# Altium PCB PLD.PcbDoc (part 1 of 4)
Units mm, origin at the board's own origin, x right, y up, seen from the top; angles counter-clockwise.
Board outline 90.25 x 94.44 mm, 6 copper layers (Top, GND, Signal Layer 1, Power, Signal2, Bottom), stack 1.297 mm thick; 370 components, 248 nets, 1284 pads, 698 vias.
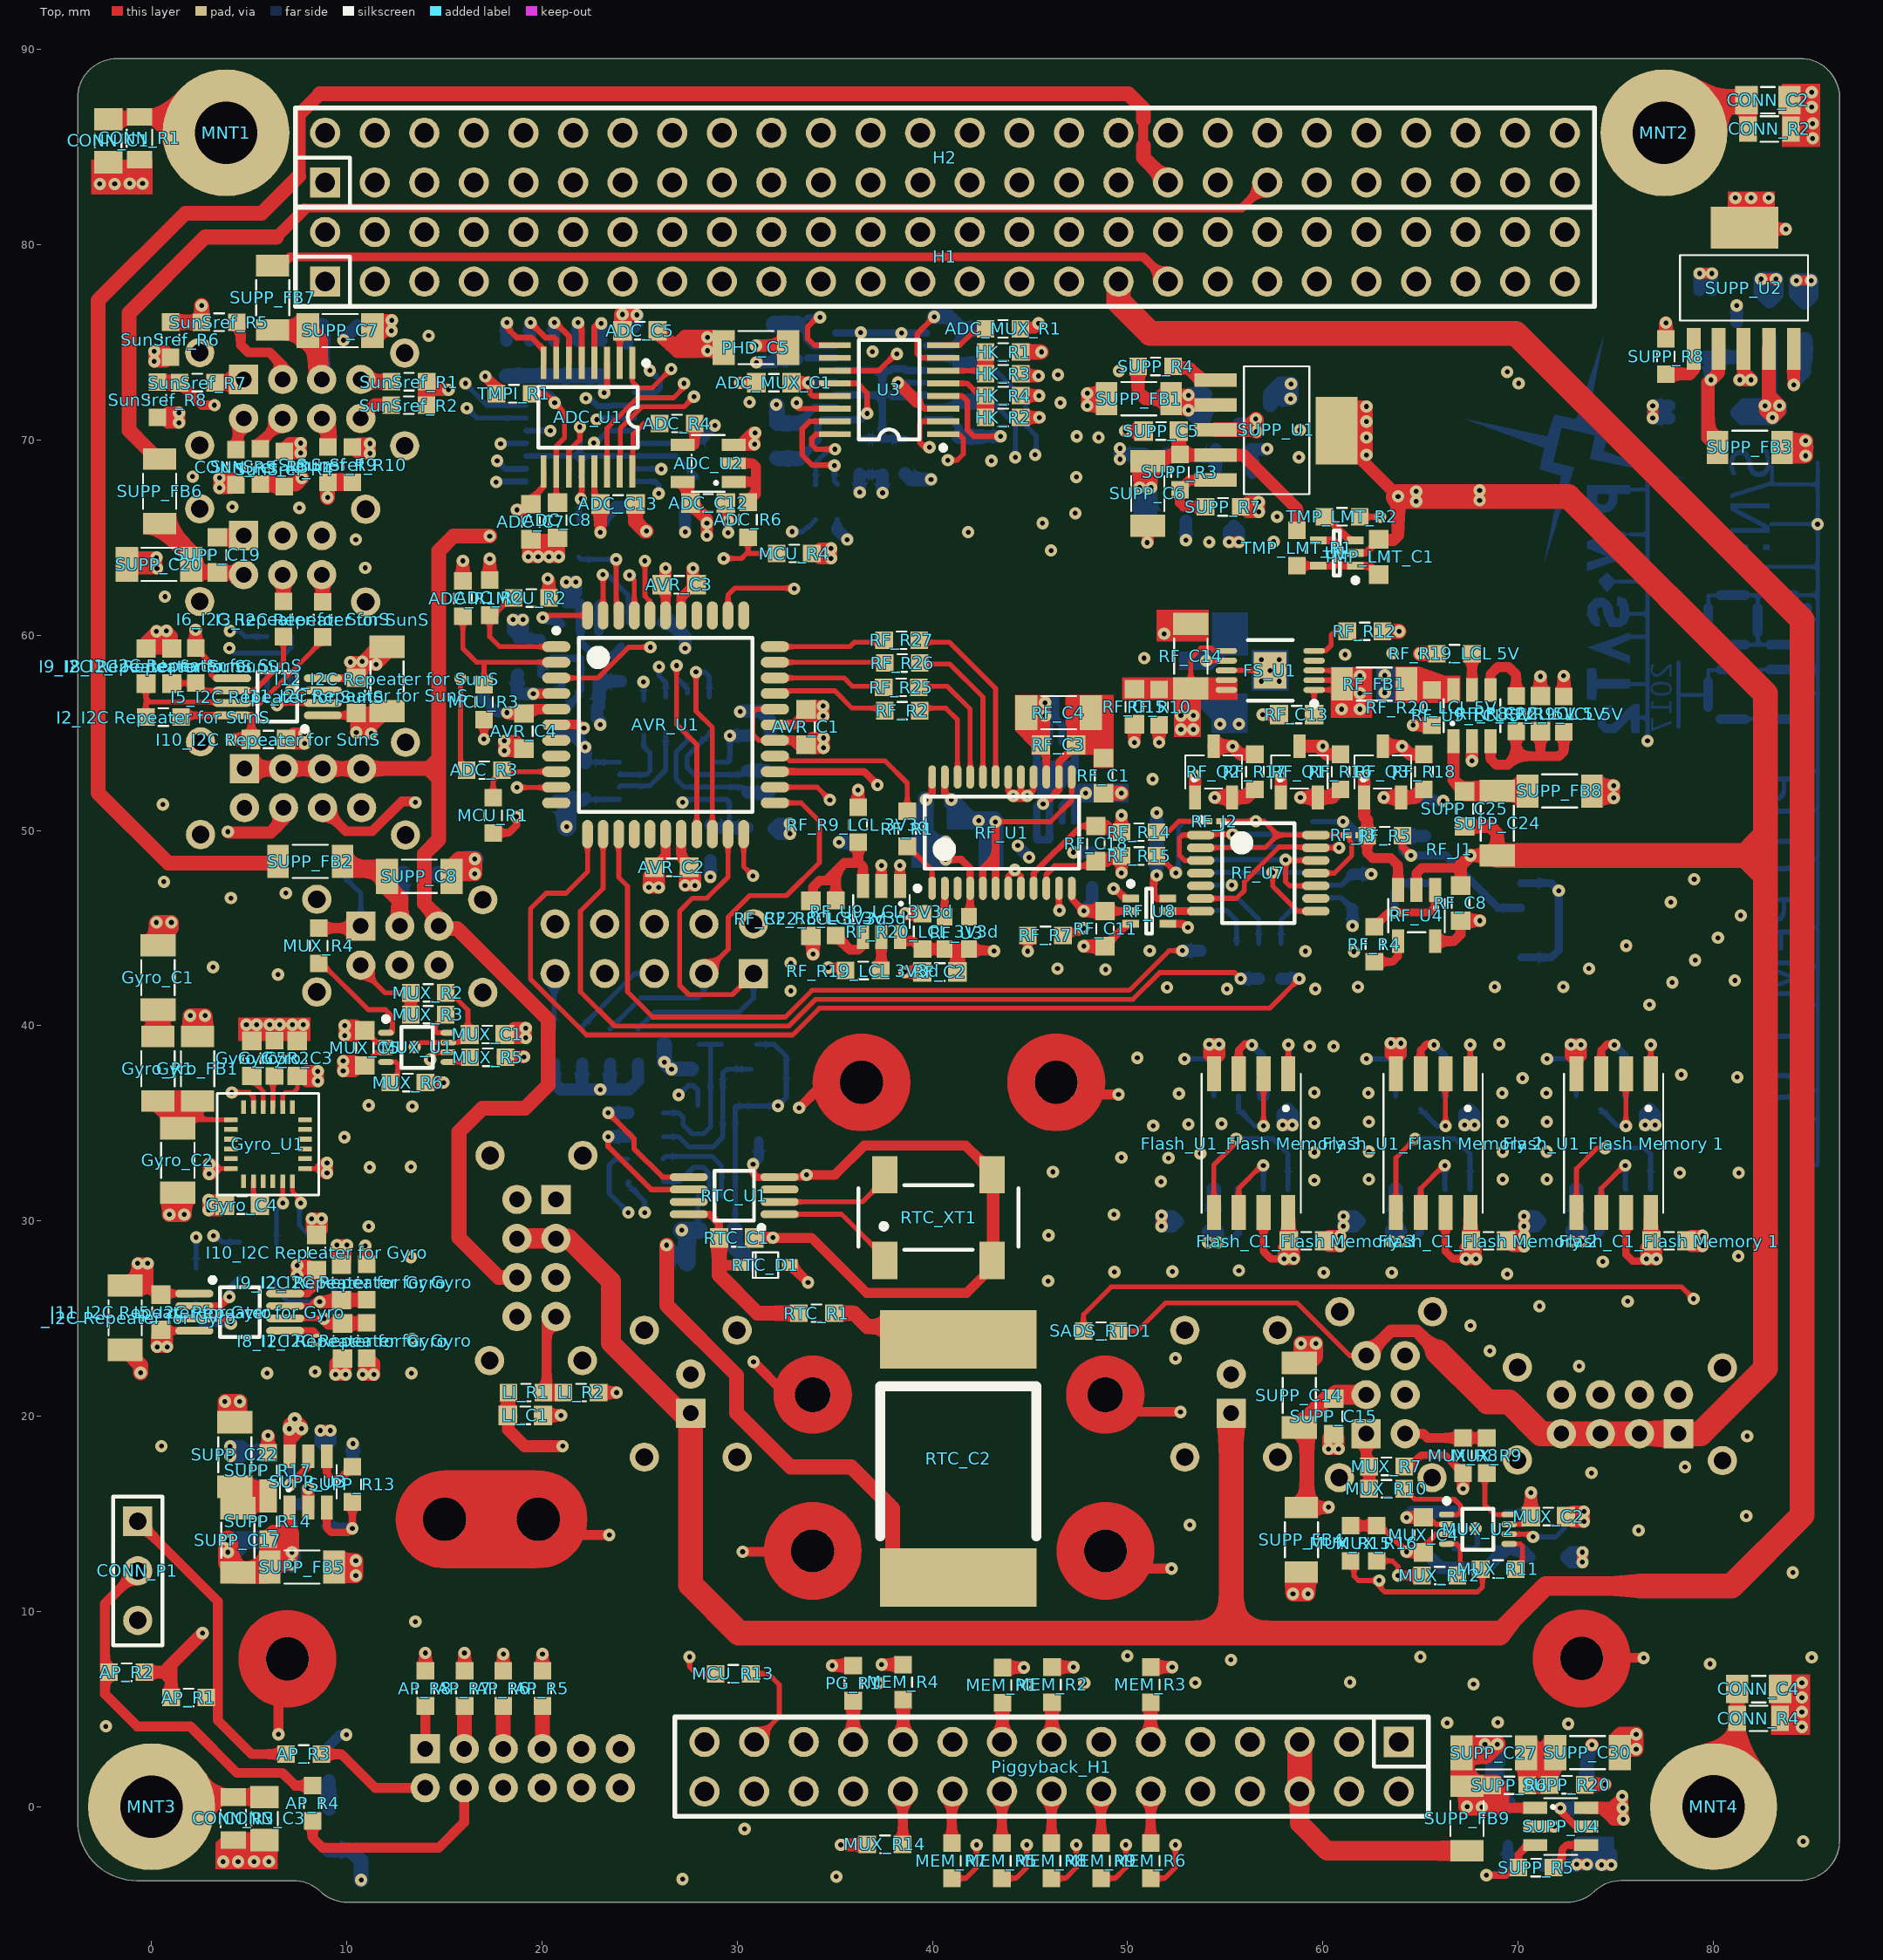
[diagram p0: Top view]
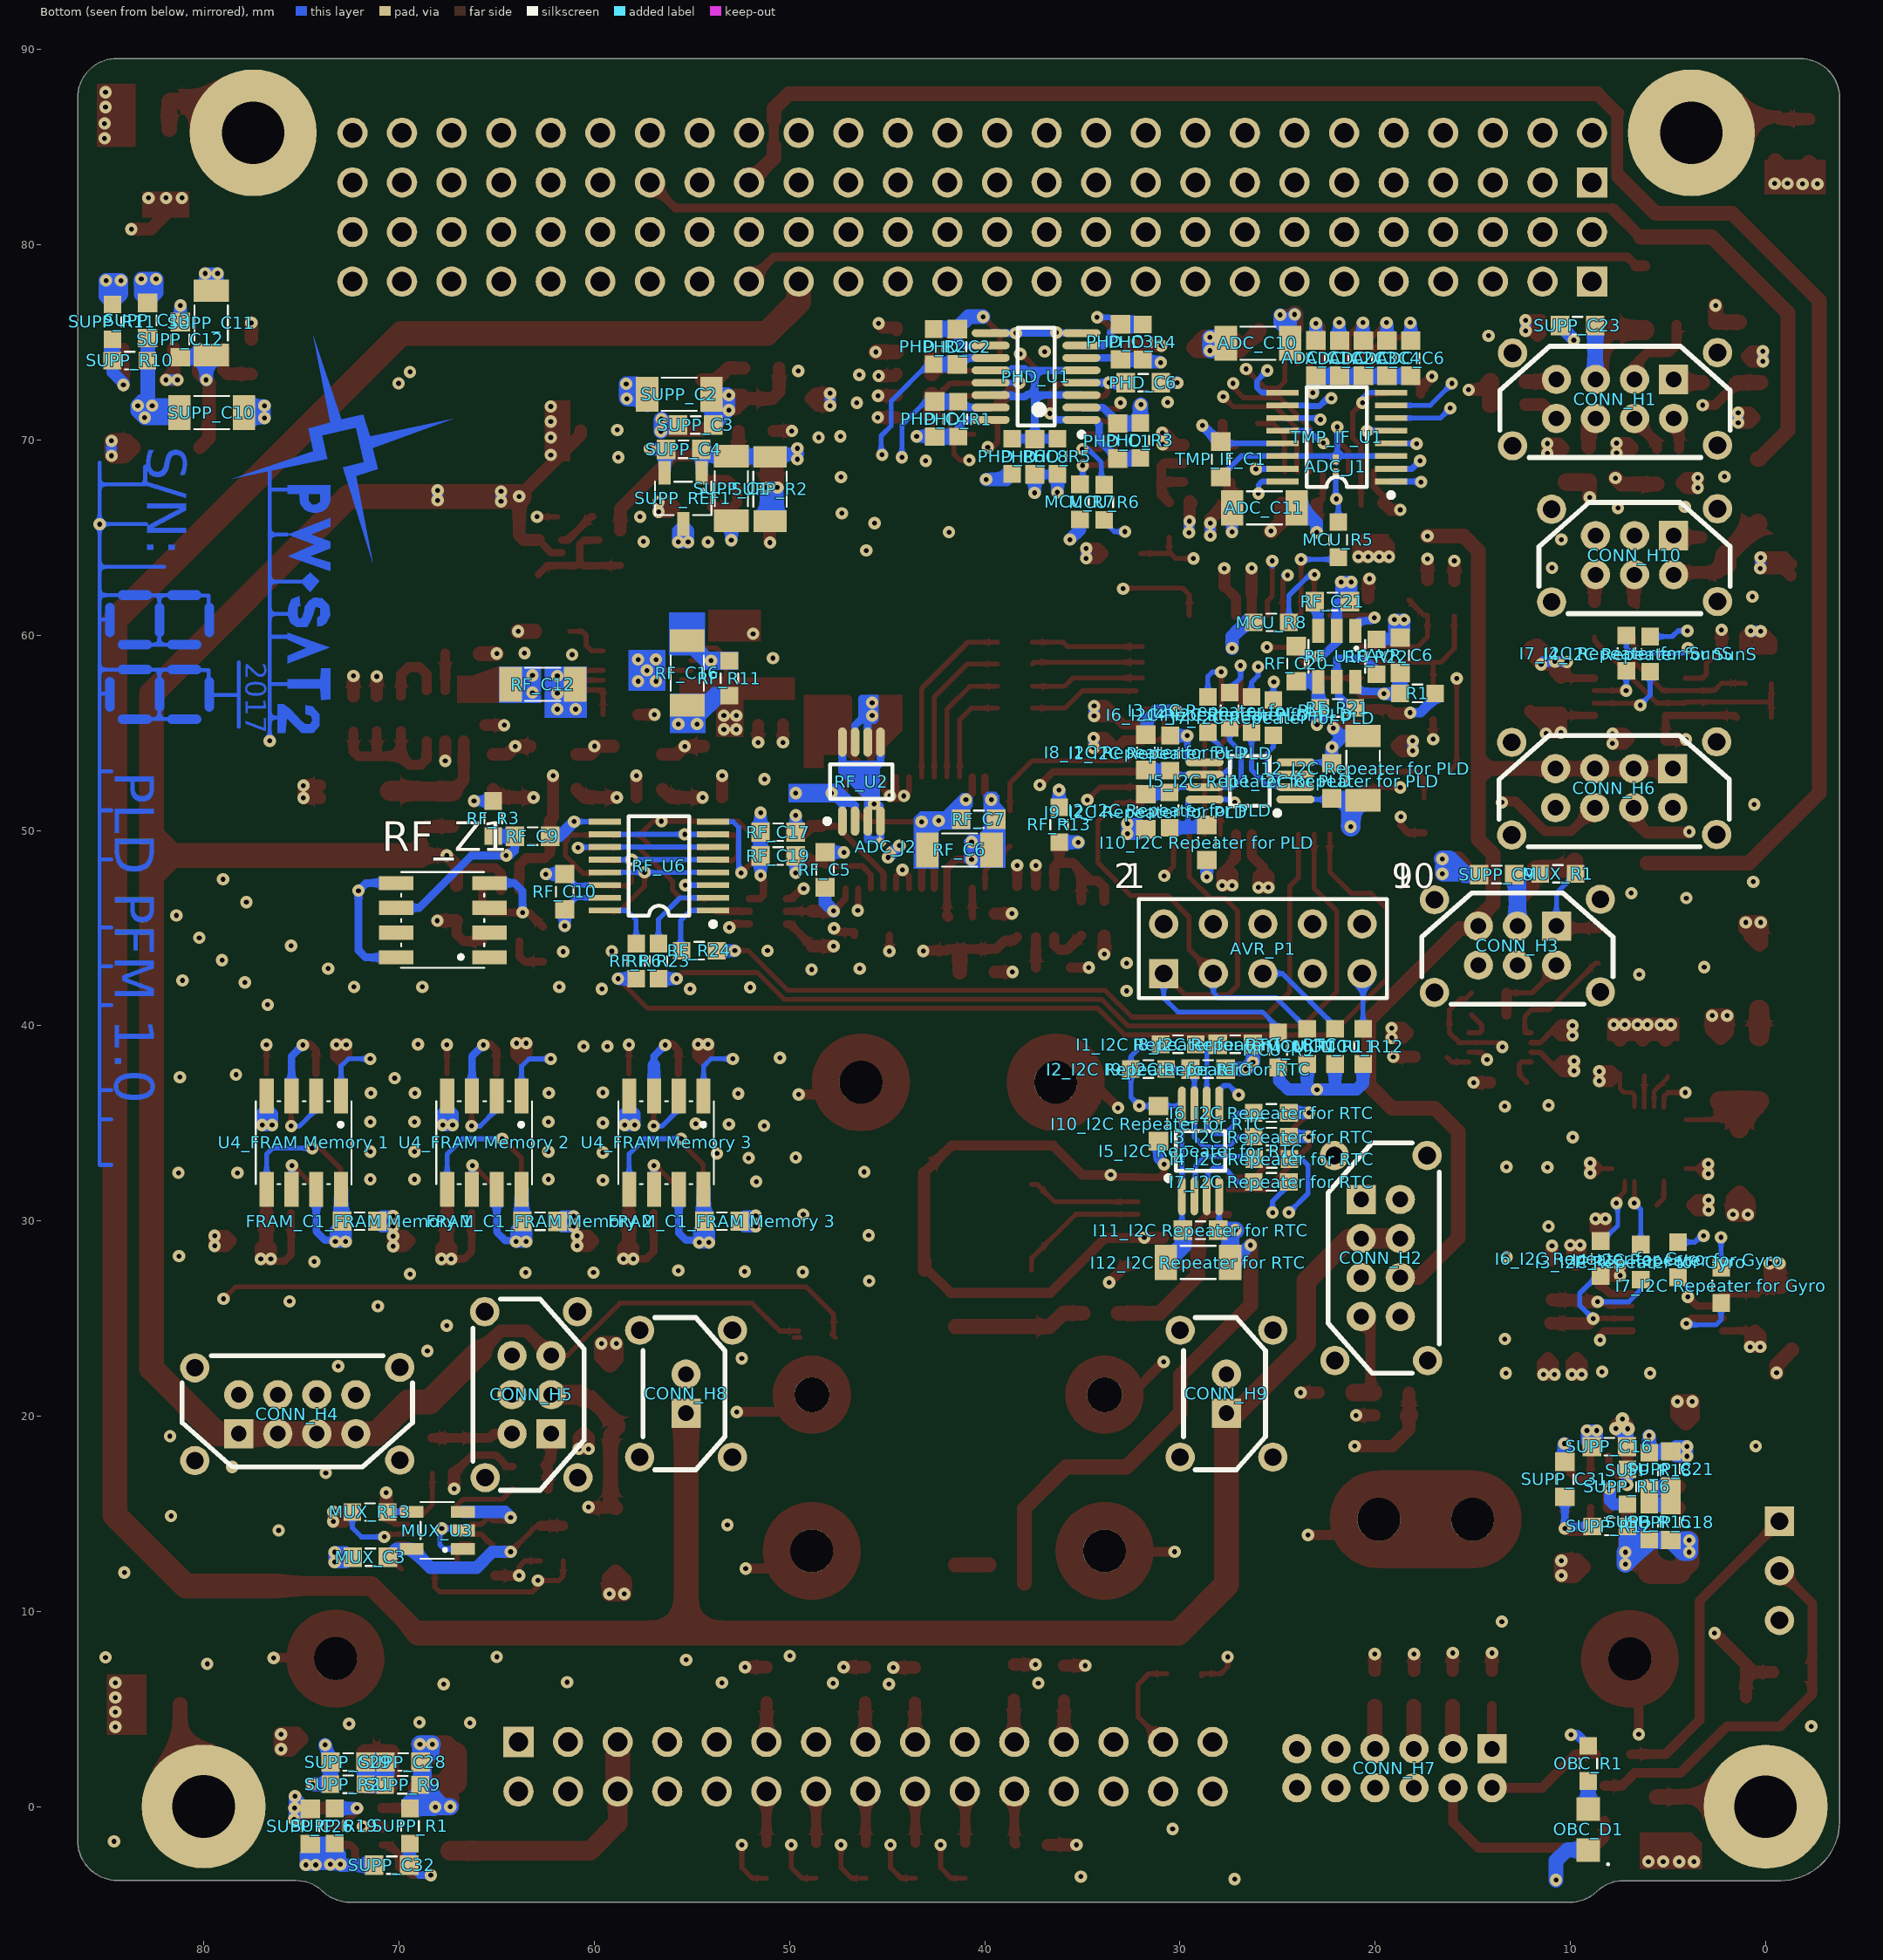
[diagram p1: Bottom view, seen from below]
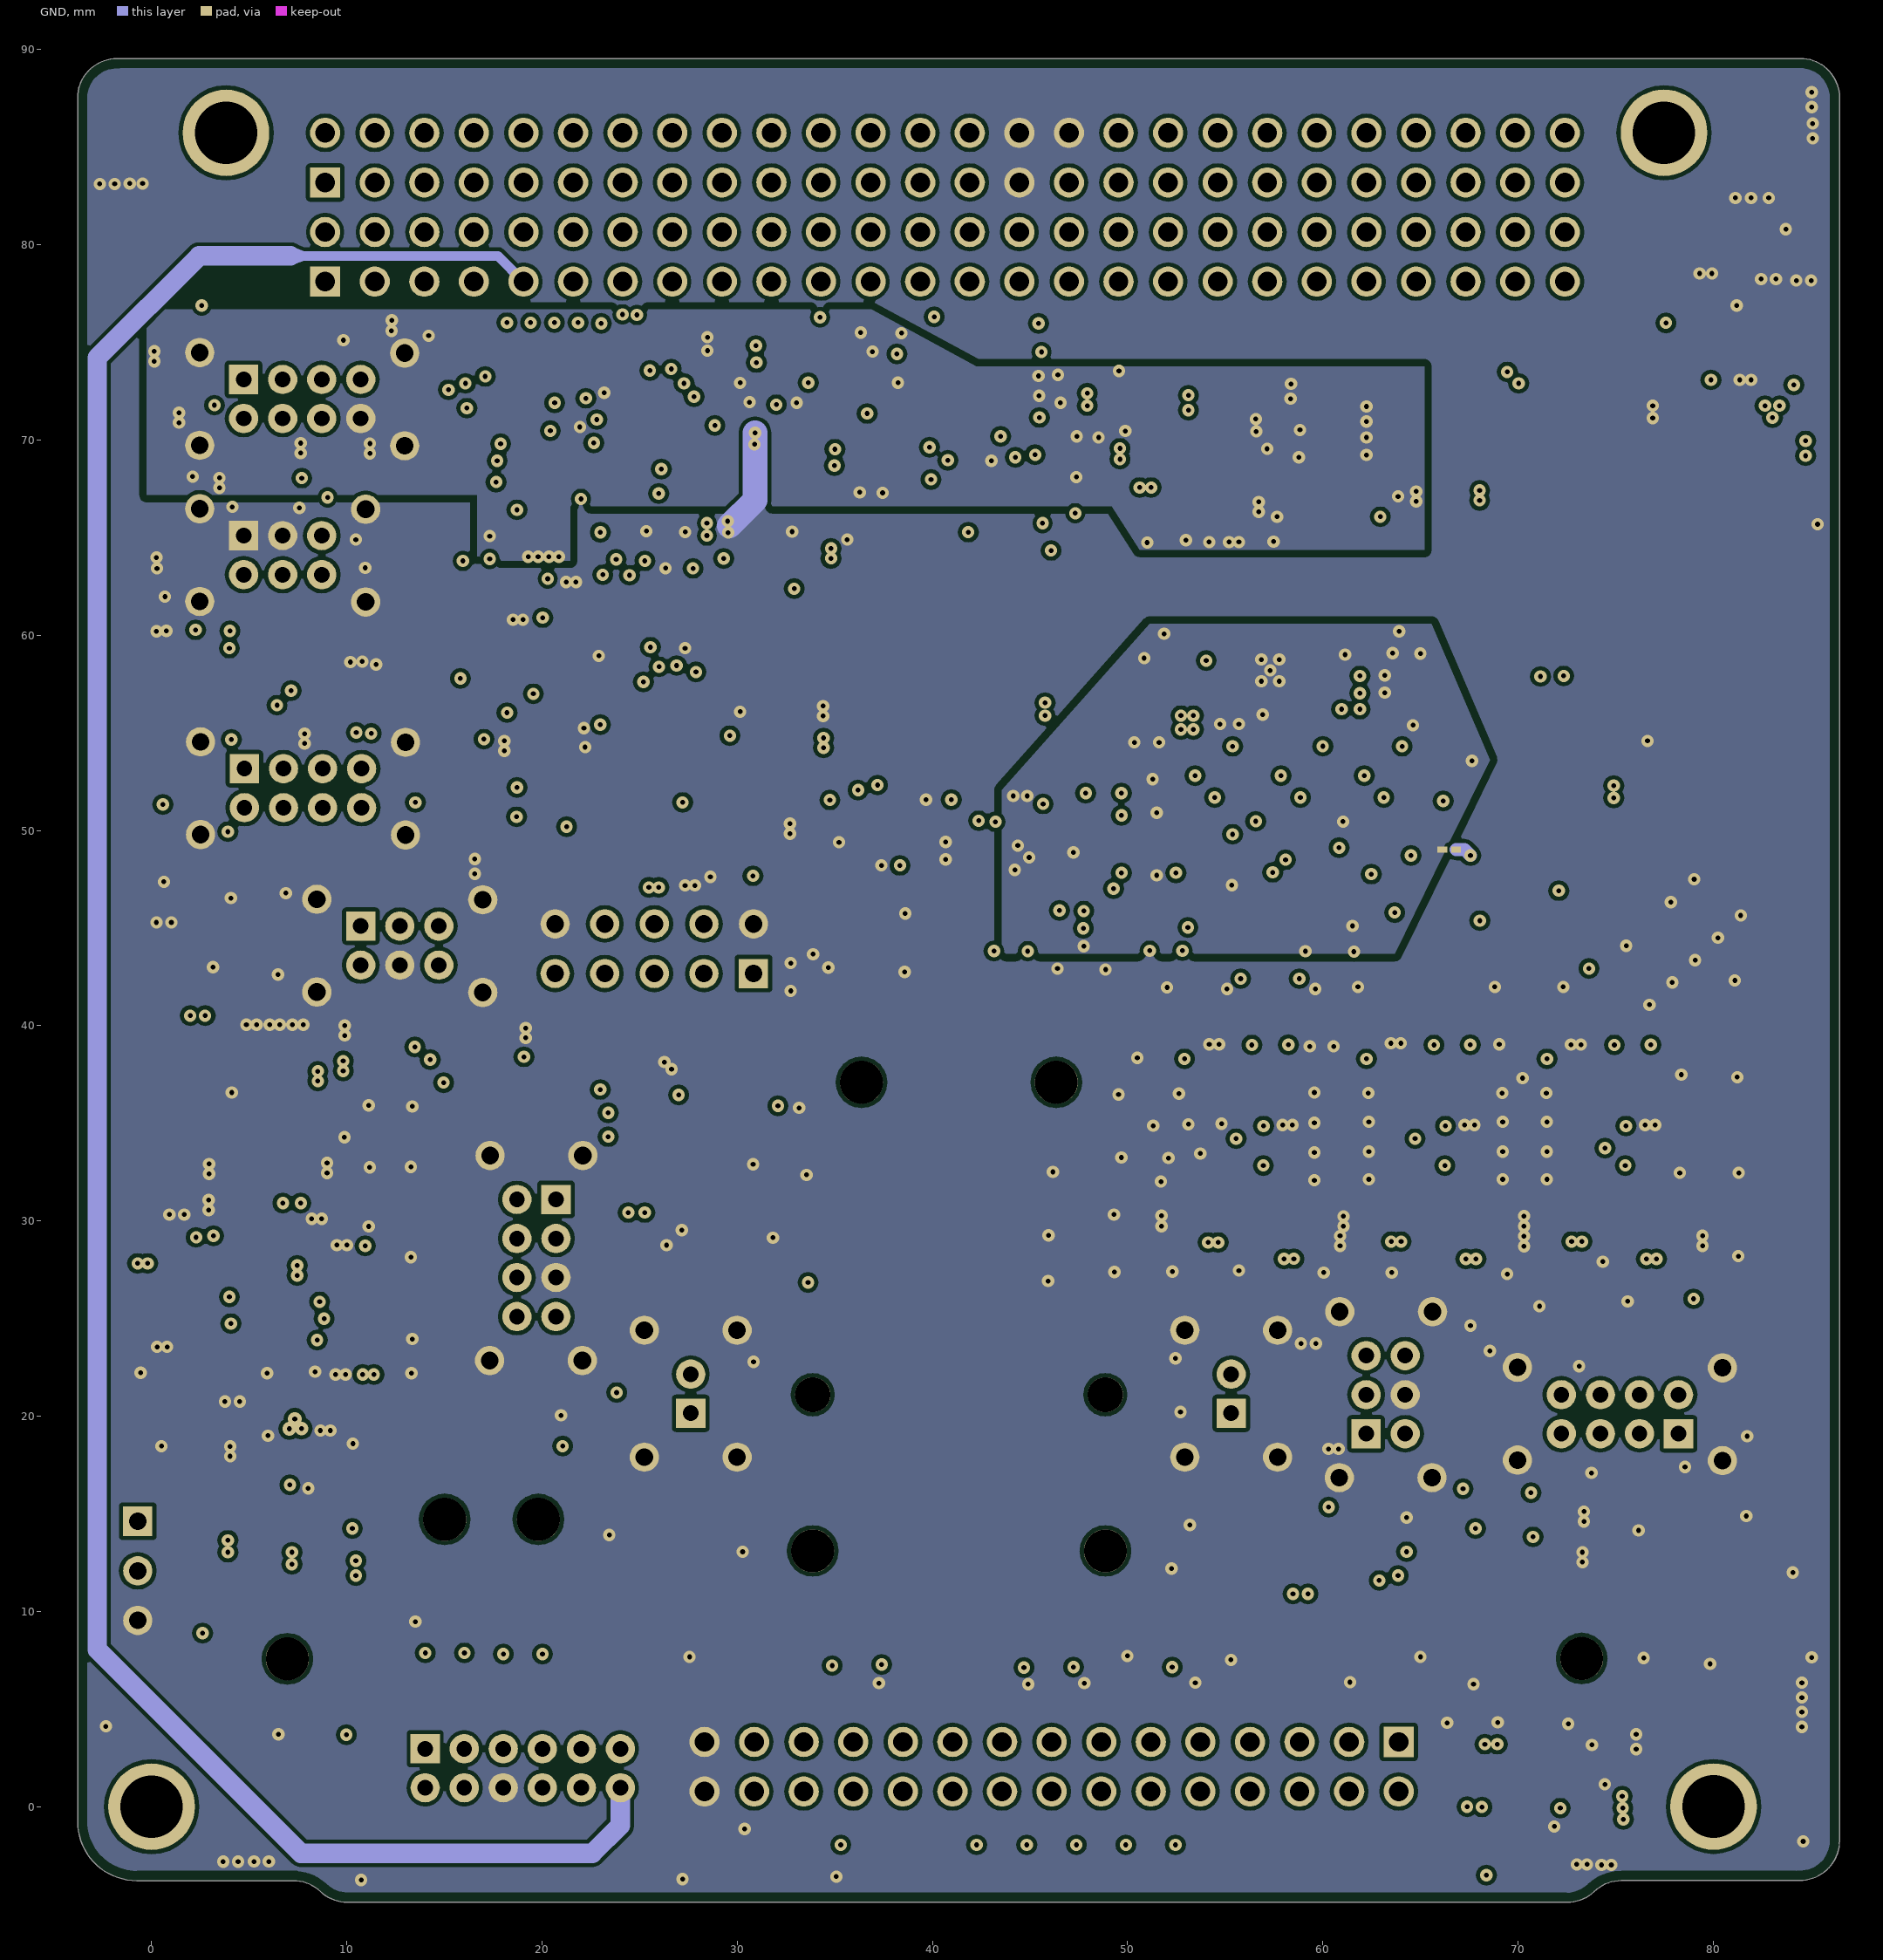
[diagram p2: GND]
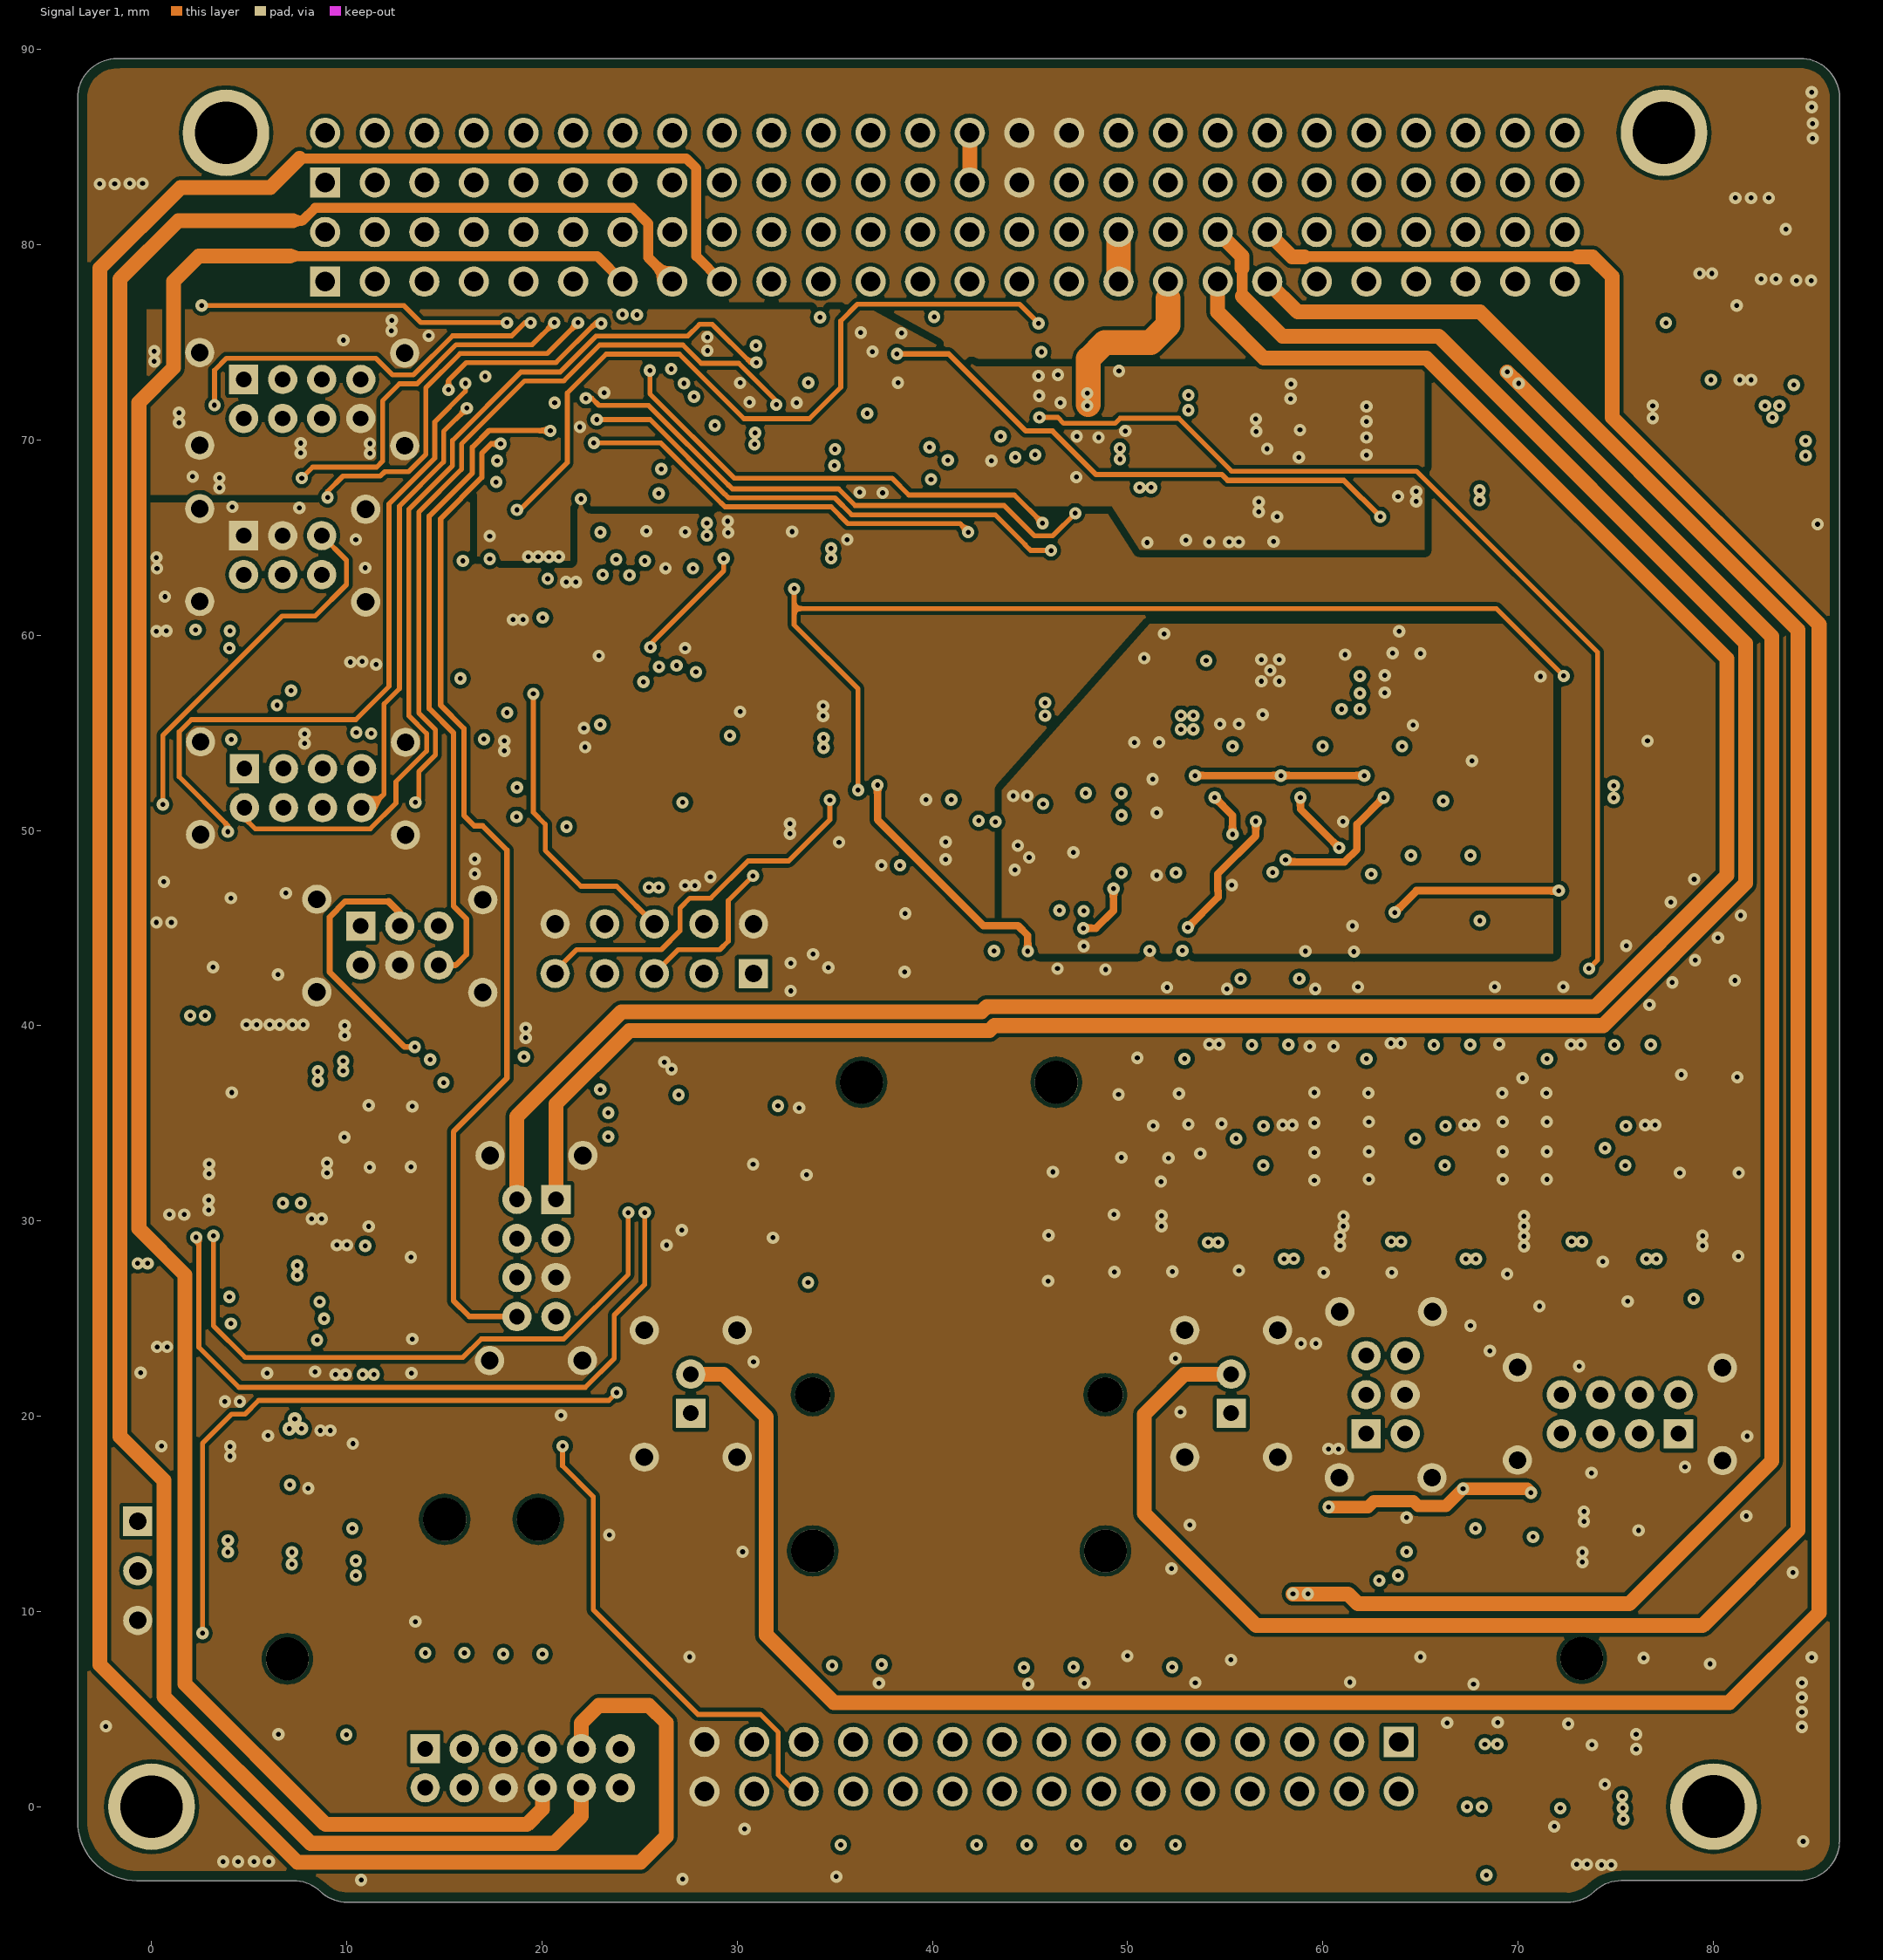
[diagram p3: Signal Layer 1]